# Altium PCB RMT_PCB.PcbDoc
Units mm, origin at the board's own origin, x right, y up, seen from the top; angles counter-clockwise.
Board outline 139.45 x 66.62 mm, 2 copper layers (Top Layer, Bottom Layer); 94 components, 69 nets, 334 pads, 290 vias.
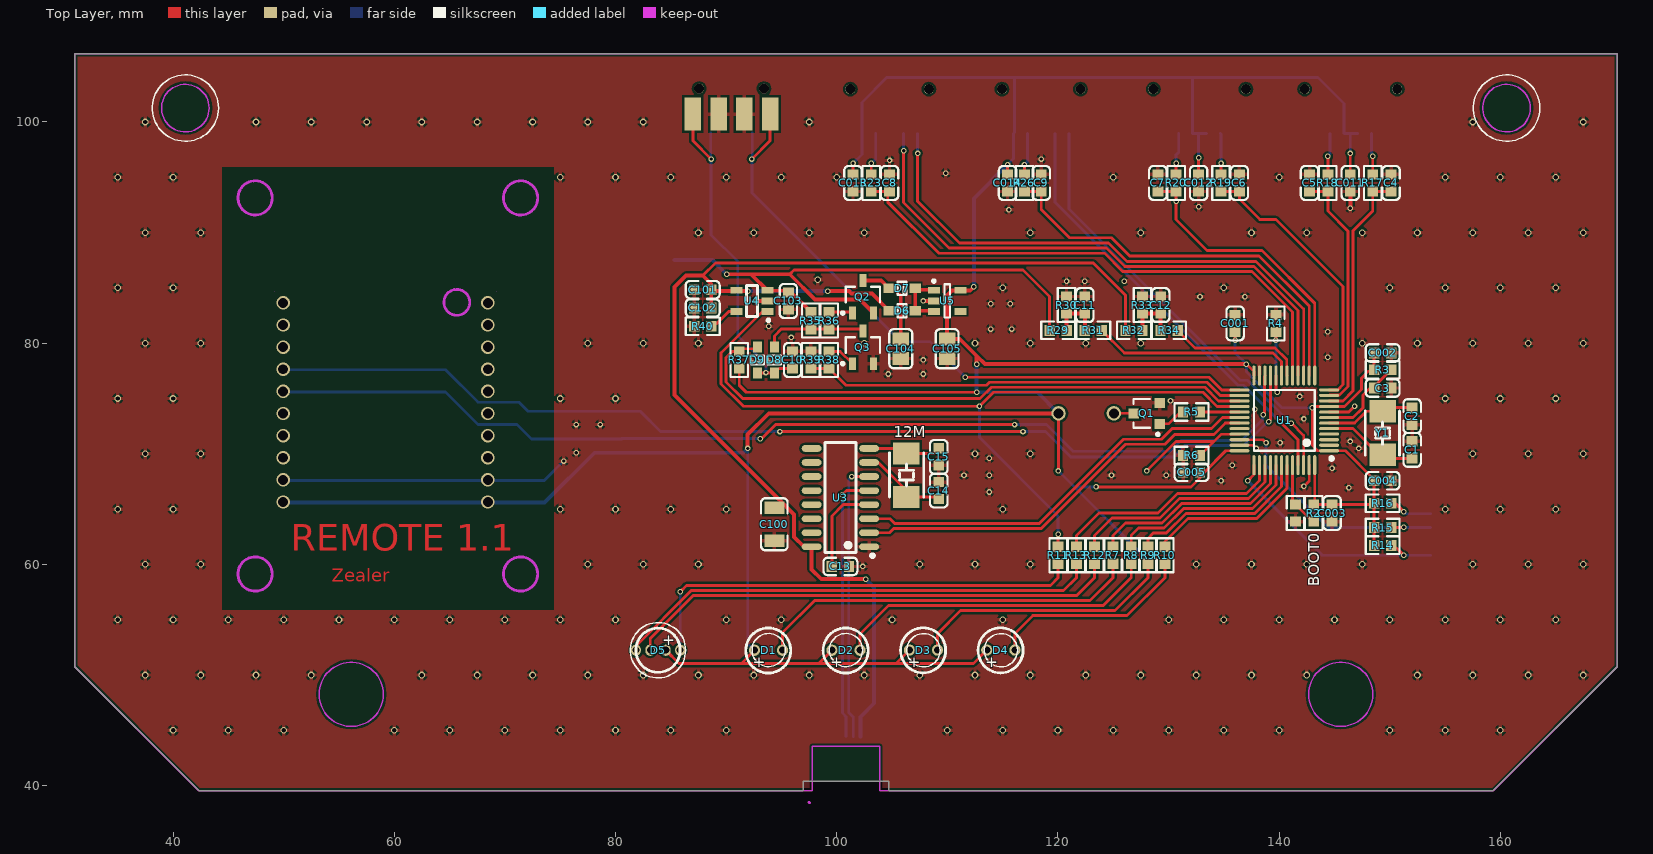
[diagram p0: Top Layer view]
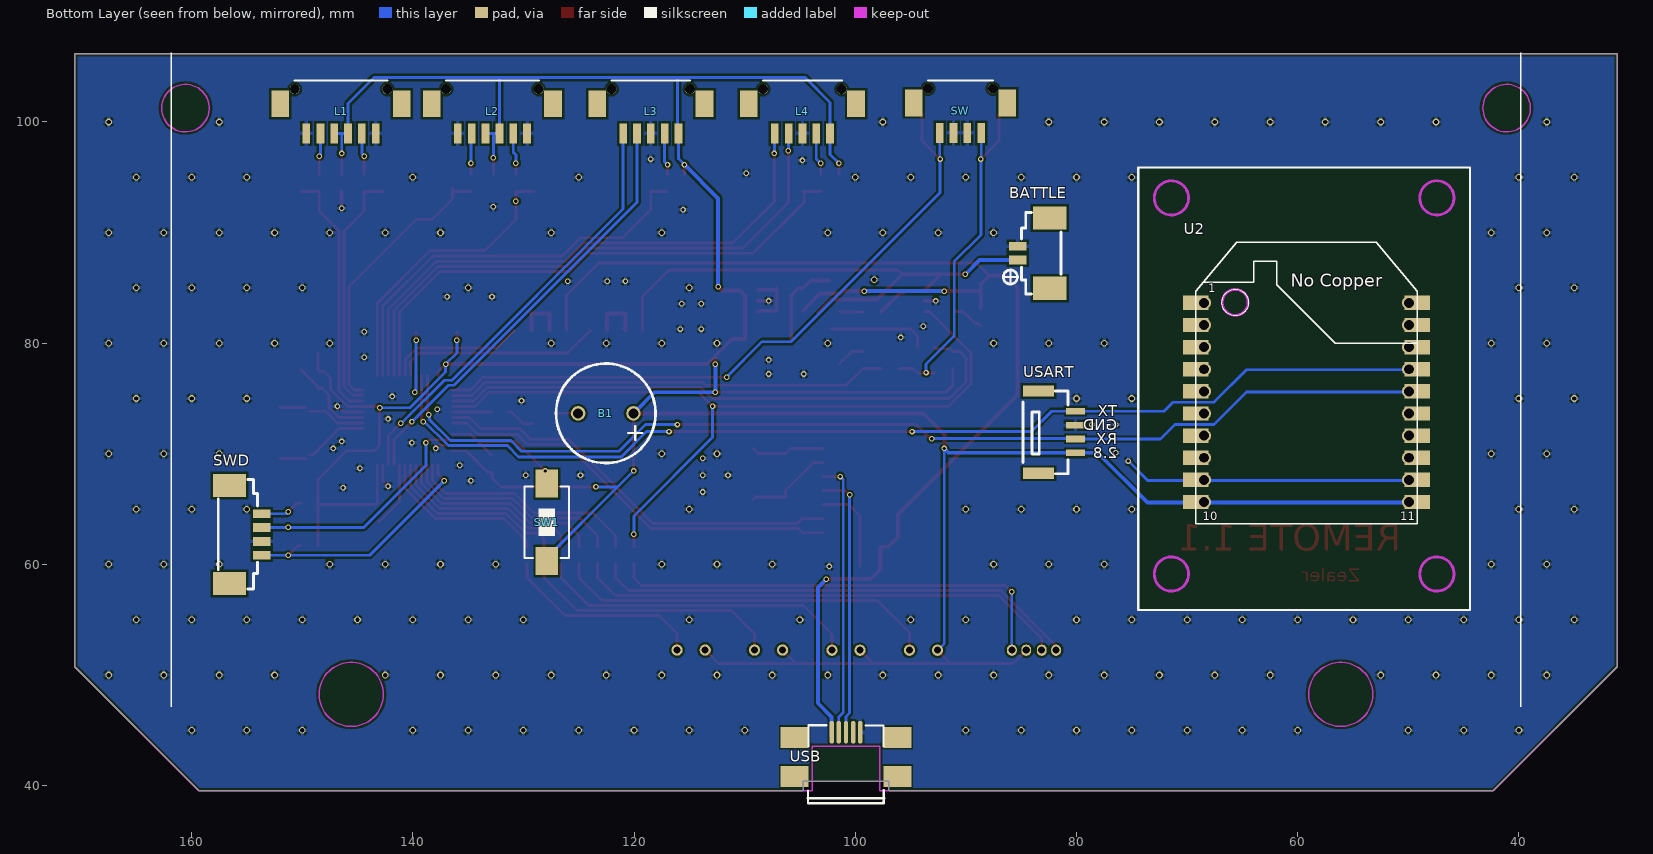
[diagram p1: Bottom Layer view, seen from below]
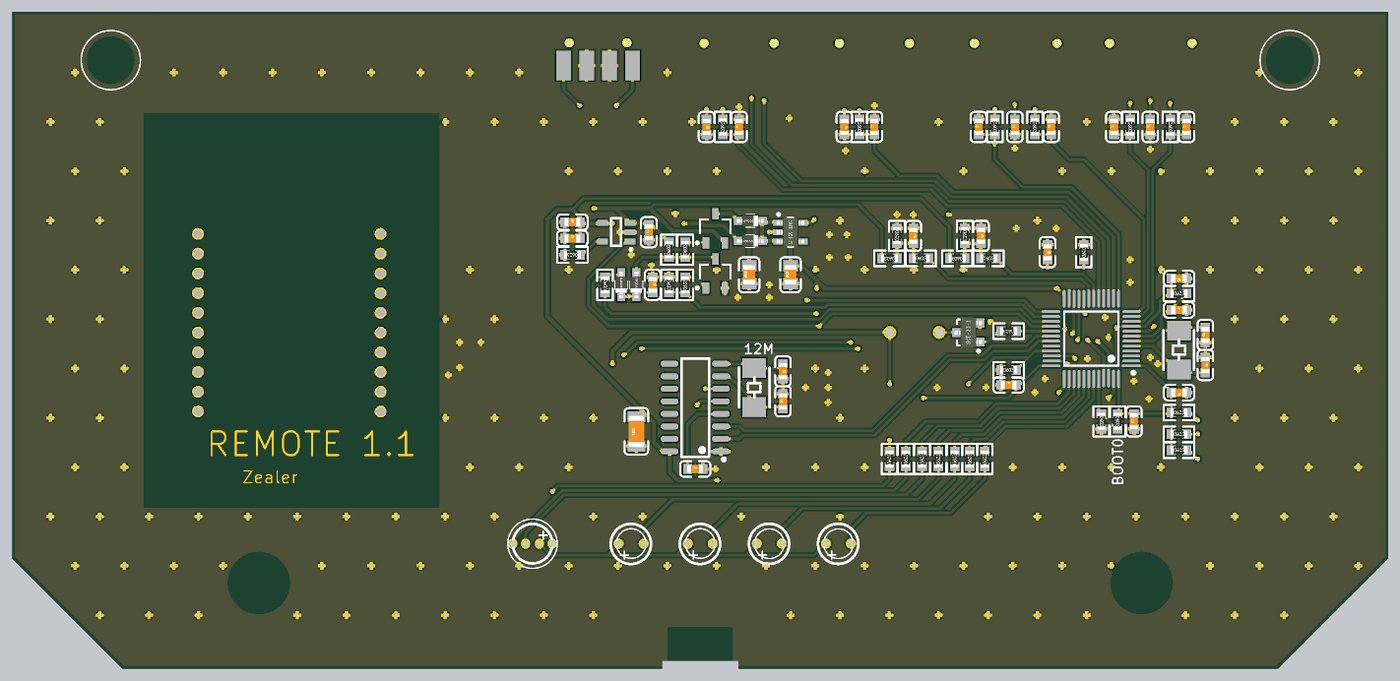
[diagram p2: 3D render of the assembled board from above, using the file's embedded part models]
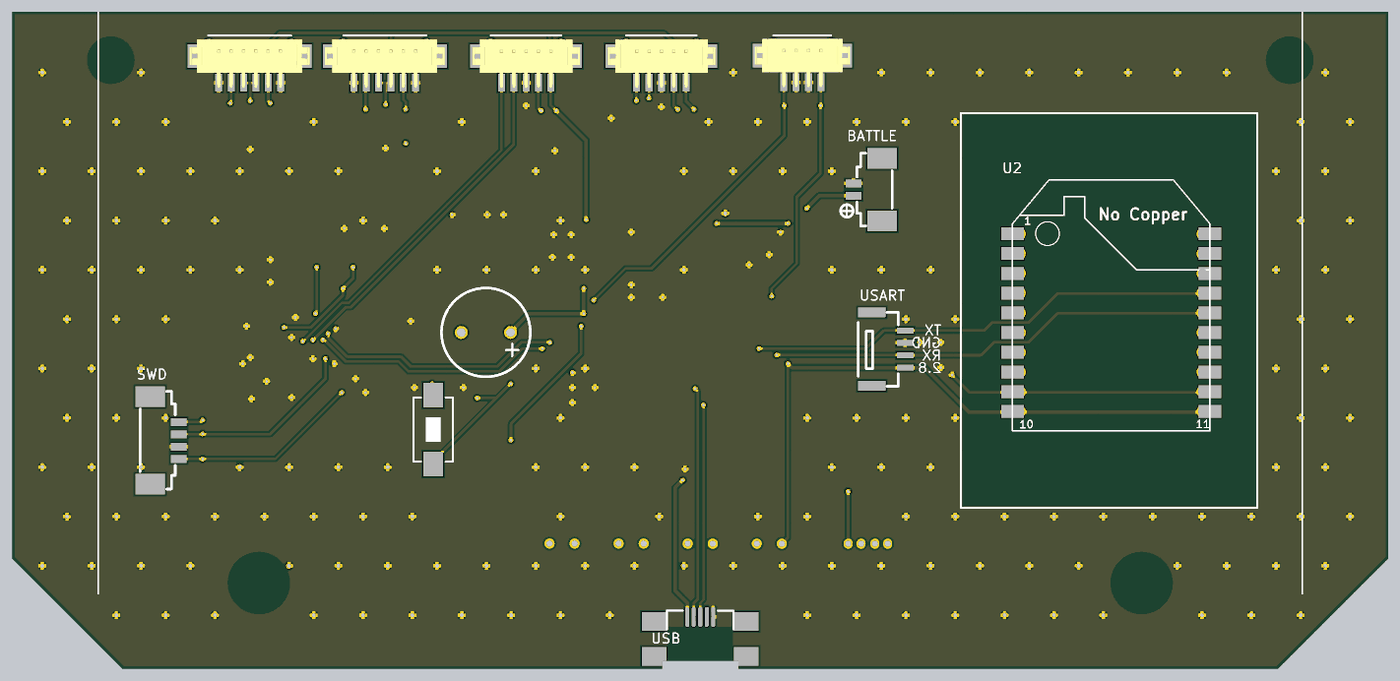
[diagram p3: 3D render of the assembled board from below, using the file's embedded part models]

## Layer stack, top to bottom
Top Solder: solder mask 0.0102, Solder Resist, Dk 3.5
Top Layer: signal copper 0.0356
Dielectric 1: dielectric 0.32, FR-4, Dk 4.8
Bottom Layer: signal copper 0.0356
Bottom Solder: solder mask 0.0102, Solder Resist, Dk 3.5

## Board outline
42.315,39.557 31.115,50.757 31.115,106.172 170.561,106.172 170.561,50.757 159.361,39.557 104.688,39.557 104.688,40.386 96.988,40.386 96.988,39.557

## Design rules (kind name [scope] priority, off if disabled: settings)
Clearance [All] p1: gap=0.2 ignorepadtopadclearanceinfootprint=FALSE except(0: Arc-Hole Track-Hole SMDPad-Hole THPad-Hole Via-Hole Fill-Hole Poly-Hole Region-Hole Text-Hole)
PolygonConnect [All] p1: connectstyle=Relief reliefconductorwidth=0.35 reliefentries=4 polygonreliefangle="90 Angle" airgapwidth=0.2
RoutingVias [All] p1: holewidth=0.3 width=0.5 viastyle="Through Hole" minholewidth=0.3 minwidth=0.5 maxholewidth=0.711 maxwidth=1.27
SolderMaskExpansion [All] p1: expansion=0.102
Width [All] p1: maxlimit=0.6 minlimit=0.254 preferedwidth=0.254
30 further rules are at their usual default settings.

## Classes and differential pairs
component class RMT_SCH: B1 BOOT0 C001 C1 C2 C002 C003 C3 C4 C004 C005 C5 C6 C7 C8 C9 C011 C012 C013 C014 D1 D2 D3 D4 D5 L1 L2 L3 L4 L? Q1 R2 R3 R4 R5 R6 R7 R8 R9 R10 R11 R12 R13 R14 R15 R16 R17 R18 R19 R20 R23 R26 R? SW SW1 SWD U1 U2 USART Y1
component class USB_POWER_SW: 12M BATTLE C10 C11 C12 C13 C14 C15 C100 C101 C102 C103 C104 C105 D6 D7 D8 D9 Q2 Q3 R29 R30 R31 R32 R33 R34 R35 R36 R37 R38 R39 R40 U3 U4 U5 USB

## Components (designator, comment, footprint, x,y, rotation, side; value= is the part's Value field where it differs from the comment)
12M "XTAL" 5032 106.299,68.072 r90 top (schematic designator Y2)
B1 "BEEP" BEEP_0905 122.555,73.66 r0 bottom
BATTLE "L_POWER" MOLEX-53398-02 82.423,91.313 r270 bottom
BOOT0 "10KΩ (1002) ±1%" 0603_R 141.478,64.643 r270 top (schematic designator R1)
C1 "10pF (100) 5% 50V" 0603_C 152.019,70.358 r270 top
C001 "100nF (104) 10% 50V" 0603_C 136.017,81.788 r270 top
C2 "10pF (100) 5% 50V" 0603_C 152.019,73.406 r90 top
C002 "100nF (104) 10% 50V" 0603_C 149.352,79.121 r180 top
C3 "100nF (104) 10% 50V" 0603_C 149.352,75.946 r0 top
C003 "100nF (104) 10% 50V" 0603_C 144.78,64.643 r90 top
C4 "100nF (104) 10% 50V" 0603_C 150.114,94.488 r90 top
C004 "100nF (104) 10% 50V" 0603_C 149.352,67.564 r180 top
C5 "100nF (104) 10% 50V" 0603_C 142.748,94.488 r90 top
C005 "100nF (104) 10% 50V" 0603_C 132.08,68.326 r0 top
C6 "100nF (104) 10% 50V" 0603_C 136.398,94.488 r90 top
C7 "100nF (104) 10% 50V" 0603_C 129.032,94.488 r90 top
C8 "100nF (104) 10% 50V" 0603_C 104.775,94.488 r90 top
C9 "100nF (104) 10% 50V" 0603_C 118.491,94.488 r90 top
C10 "100nF (104) 10% 50V" 0603_C 96.012,78.486 r270 top
C11 "100nF (104) 10% 50V" 0603_C 122.428,83.447 r270 top
C011 "100nF (104) 10% 50V" 0603_C 146.431,94.488 r90 top
C12 "100nF (104) 10% 50V" 0603_C 129.286,83.447 r270 top
C012 "100nF (104) 10% 50V" 0603_C 132.715,94.488 r90 top
C13 "100nF (104) 10% 50V" 0603_C 100.33,59.817 r0 top
C013 "100nF (104) 10% 50V" 0603_C 101.473,94.488 r270 top
C14 "10pF (100) 5% 50V" 0603_C 109.22,66.675 r90 top
C014 "100nF (104) 10% 50V" 0603_C 115.443,94.488 r270 top
C15 "10pF (100) 5% 50V" 0603_C 109.22,69.723 r270 top
C100 "10uF (106) 10% 50V" 1206_C 94.361,63.627 r90 top
C101 "100nF (104) 10% 50V" 0603_C 87.884,84.836 r0 top
C102 "100nF (104) 10% 50V" 0603_C 87.884,83.185 r0 top
C103 "100nF (104) 10% 50V" 0603_C 95.631,83.82 r90 top
C104 "10uF (106) 10% 25V" 0805_C 105.791,79.502 r90 top
C105 "10uF (106) 10% 25V" 0805_C 109.982,79.502 r90 top
D1 "LED_3.0MM" LED_A2 93.838,52.243 r0 top
D2 "LED_3.0MM" LED_A2 100.838,52.243 r0 top
D3 "LED_3.0MM" LED_A2 107.838,52.257 r0 top
D4 "LED_3.0MM" LED_A2 114.838,52.257 r0 top
D5 "LED_RGB" LED_3DIP 83.843,52.243 r0 top
D6 "1N4148WS T4" SOD-323 105.918,82.931 r180 top
D7 "1N4148WS T4" SOD-323 105.918,84.963 r180 top
D8 "1N4148WS T4" SOD-323 94.361,78.486 r90 top
D9 "1N4148WS T4" SOD-323 92.837,78.486 r90 top
L1 "L_ROCKER_6P" DF13-6P 146.49,100.965 r0 bottom
L2 "L_ROCKER_6P" DF13-6P 132.805,100.965 r0 bottom
L3 "L_SW_ROCKER_5P" DF13-5P 118.485,100.965 r0 bottom
L4 "L_SW_ROCKER_5P" DF13-5P 104.775,100.965 r0 bottom
Q1 "S8050" SOP23-3 128.016,73.66 r90 top
Q2 "AO3401A P道沟 X13A15 SOT-23" SOT-23-3L 102.362,84.201 r270 top
Q3 "AO3400A N道沟 X0YV1T SOT-23" SOT-23-3L 102.362,79.629 r270 top
R2 "0Ω (0R0) ±1%" 0603_R 143.129,64.643 r270 top
R3 "10KΩ (1002) ±1%" 0603_R 149.352,77.597 r0 top
R4 "10KΩ (1002) ±1%" 0603_R 139.7,81.788 r90 top
R5 "1KΩ (1001) ±1%" 0603_R 132.08,73.787 r180 top
R6 "10KΩ (1002) ±1%" 0603_R 132.08,69.85 r0 top
R7 "510Ω (5100) ±1%" 0603_R 124.968,60.833 r90 top
R8 "510Ω (5100) ±1%" 0603_R 126.619,60.833 r90 top
R9 "510Ω (5100) ±1%" 0603_R 128.143,60.833 r90 top
R10 "510Ω (5100) ±1%" 0603_R 129.667,60.833 r90 top
R11 "510Ω (5100) ±1%" 0603_R 120.015,60.833 r90 top
R12 "510Ω (5100) ±1%" 0603_R 123.317,60.833 r90 top
R13 "510Ω (5100) ±1%" 0603_R 121.666,60.833 r90 top
R14 "10KΩ (1002) ±1%" 0603_R 149.352,61.722 r0 top
R15 "10KΩ (1002) ±1%" 0603_R 149.352,63.333 r0 top
R16 "0Ω (0R0) ±1%" 0603_R 149.352,65.532 r0 top
R17 "10KΩ (1002) ±1%" 0603_R 148.463,94.488 r270 top
R18 "10KΩ (1002) ±1%" 0603_R 144.399,94.488 r270 top
R19 "10KΩ (1002) ±1%" 0603_R 134.747,94.488 r270 top
R20 "10KΩ (1002) ±1%" 0603_R 130.683,94.488 r270 top
R23 "10KΩ (1002) ±1%" 0603_R 103.124,94.488 r270 top
R26 "10KΩ (1002) ±1%" 0603_R 116.967,94.488 r270 top
R29 "30KΩ (3002) ±1%" 0603_R 120.015,81.161 r180 top
R30 "30KΩ (3002) ±1%" 0603_R 120.777,83.447 r270 top
R31 "10KΩ (1002) ±1%" 0603_R 123.19,81.161 r0 top
R32 "30KΩ (3002) ±1%" 0603_R 126.873,81.161 r180 top
R33 "30KΩ (3002) ±1%" 0603_R 127.635,83.447 r270 top
R34 "10KΩ (1002) ±1%" 0603_R 130.048,81.161 r0 top
R35 "10KΩ (1002) ±1%" 0603_R 97.663,82.042 r90 top
R36 "10KΩ (1002) ±1%" 0603_R 99.314,82.042 r90 top
R37 "10KΩ (1002) ±1%" 0603_R 91.186,78.486 r270 top
R38 "10KΩ (1002) ±1%" 0603_R 99.314,78.486 r90 top
R39 "10KΩ (1002) ±1%" 0603_R 97.663,78.486 r270 top
R40 "1.5KΩ (1501) ±1%" 0603_R 87.884,81.534 r180 top
SW "L_SW_4P" DF13-4P 90.49,101.016 r0 bottom (schematic designator L5)
SW1 "SW" SW-PB2-A1 127.889,63.754 r180 bottom
SWD "L_SWD" MOLEX-53398-0471 153.67,60.833 r90 bottom (schematic designator P2)
U1 "STM32F103CBT6" LQFP-48_7x7x05P 140.462,73.025 r90 top
U2 "DQ_115X" LW_1151 68.453,83.644 r180 bottom
U3 "CH340G" SOIC-16_150mil 100.33,66.04 r90 top
U4 "TP4054" SOT-23-5 92.329,83.82 r0 top
U5 "XC6503D281MR" SOT23-5 109.982,83.82 r0 top
USART "L_USART_Ex" BM04B-GHS-TBT 80.772,75.692 r270 bottom (schematic designator P1)
USB "MICRO_USB" MICRO-USB-B 100.838,38.862 r180 bottom
Y1 "XTAL" 5032 149.352,71.882 r270 top value=8Mhz

## Footprints (in the part's own frame and the unit in brackets; to place one, negate y for a bottom-side part, rotate by r counter-clockwise, add the part's x,y. Pads: shape width x height; smd on the part's side, far side on the other; paste and mask are expansions set on the pad)
0603_C [mm]
  rect 0.93x0.98 smd: 1(-0.77,0) 2(0.77,0)
  silkscreen extent -1.54,-0.79 1.54,0.79, body extent -0.8,-0.4 0.8,0.4, height 0.3
0603_R [mm]
  rect 0.93x0.98 smd: 1(-0.77,0) 2(0.77,0)
  silkscreen extent -1.54,-0.79 1.54,0.79, body extent -0.85,-0.4 0.85,0.4, height 0.56
0805_C [mm]
  rect 1.16x1.47 smd: 1(-0.89,0) 2(0.89,0)
  silkscreen extent -1.77,-1.04 1.77,1.04, body extent -1,-0.62 1,0.63, height 0.77
1206_C [mm]
  rect 1.13x1.8 smd: 1(-1.49,0) 2(1.49,0)
  silkscreen extent -2.36,-1.2 2.35,1.2, body extent -1.6,-0.81 1.6,0.79, height 1
5032 [mm] "无源晶振"
  rect 2x2.4 smd: 1(-1.968,0) 2(1.968,0)
  silkscreen extent -1.98,-1.57 2.02,1.53, body extent -2.48,-1.52 2.48,1.52, height 1.3
BEEP_0905 [mm] "有源蜂鸣器"
  round 1.3 hole 0.9: 1(-2.5,0) 2(2.5,0)
  silkscreen extent -4.5,-4.5 4.5,4.5, body extent -4.5,-4.5 4.5,4.5, height 5.5
BM04B-GHS-TBT [mm]
  rect 1x2.8 smd: 0(0,-2.664) 0(7.45,-2.664)
  rect 0.6x1.7 smd: 1(1.85,0.686) 2(3.1,0.686) 3(4.35,0.686) 4(5.6,0.686)
  silkscreen extent 0,-4.06 7.49,0, body extent 0,-4.06 7.49,0, height 4.05
DF13-4P [mm]
  rect 1.6x2.4 smd: 0(-4.225,-0.7) 0(4.225,-0.7)
  round 0.9 hole 0.9: 0(-2.925,-2) 0(2.925,-2)
  rect 0.7x1.8 smd: 1(-1.875,2) 2(-0.625,2) 3(0.625,2) 4(1.875,2)
  silkscreen extent -2.92,-2.74 2.92,-2.74, body extent -4.82,-2.41 4.83,2.49, height 4.77
DF13-5P [mm]
  rect 1.6x2.4 smd: 0(-4.85,-0.7) 0(4.85,-0.7)
  round 0.9 hole 0.9: 0(-3.55,-2) 0(3.55,-2)
  rect 0.7x1.8 smd: 1(-2.5,2) 2(-1.25,2) 3(0,2) 4(1.25,2) 5(2.5,2)
  silkscreen extent -3.56,-2.79 3.56,-2.79, body extent -5.46,-2.4 5.44,2.5, height 4.77
DF13-6P [mm]
  rect 1.6x2.4 smd: 0(-5.485,-0.7) 0(5.485,-0.7)
  round 0.9 hole 0.9: 0(-4.185,-2) 0(4.185,-2)
  rect 0.7x1.8 smd: 1(-3.135,2) 2(-1.885,2) 3(-0.635,2) 4(0.615,2) 5(1.865,2) 6(3.135,2)
  silkscreen extent -4.19,-2.79 4.19,-2.79, body extent -6.07,-2.41 6.08,2.49, height 4.77
LED_3DIP [mm]
  oval 0.9x1.016 hole 0.635 paste+0 mask+0: 1(0.7,0) 2(2,0) 3(-0.7,0) 4(-2,0)
  silkscreen extent -2,-2 2,2
LED_A2 [mil]
  round 40 hole 25 mask+0: 1(-50,0) 2(50,0)
  silkscreen extent -81,-81 79,79
LQFP-48_7x7x05P [mm]
  oval 0.28x1.8 smd mask+0.051: 1(-2.75,-4.05) 2(-2.25,-4.05) 3(-1.75,-4.05) 4(-1.25,-4.05) 5(-0.75,-4.05) 6(-0.25,-4.05) 7(0.25,-4.05) 8(0.75,-4.05) 9(1.25,-4.05) 10(1.75,-4.05) 11(2.25,-4.05) 12(2.75,-4.05) 25(2.75,4.05) 26(2.25,4.05) 27(1.75,4.05) 28(1.25,4.05) 29(0.75,4.05) 30(0.25,4.05) 31(-0.25,4.05) 32(-0.75,4.05) 33(-1.25,4.05) 34(-1.75,4.05) 35(-2.25,4.05) 36(-2.75,4.05)
  oval 1.8x0.28 smd mask+0.051: 13(4.05,-2.75) 14(4.05,-2.25) 15(4.05,-1.75) 16(4.05,-1.25) 17(4.05,-0.75) 18(4.05,-0.25) 19(4.05,0.25) 20(4.05,0.75) 21(4.05,1.25) 22(4.05,1.75) 23(4.05,2.25) 24(4.05,2.75) 37(-4.05,2.75) 38(-4.05,2.25) 39(-4.05,1.75) 40(-4.05,1.25) 41(-4.05,0.75) 42(-4.05,0.25) 43(-4.05,-0.25) 44(-4.05,-0.75) 45(-4.05,-1.25) 46(-4.05,-1.75) 47(-4.05,-2.25) 48(-4.05,-2.75)
  silkscreen extent -3.6,-4.43 2.75,2.75
LW_1151 [mm] "zigbee_usart"
  rect 2.316x1.3 smd: 1(-0.75,0) 2(-0.75,-2) 3(-0.75,-4) 4(-0.75,-6) 5(-0.75,-8) 6(-0.75,-10) 7(-0.75,-12) 8(-0.75,-14) 9(-0.75,-16) 10(-0.75,-18) 11(19.25,-18) 12(19.25,-16) 13(19.25,-14) 14(19.25,-12) 15(19.25,-10) 16(19.25,-8) 17(19.25,-6) 18(19.25,-4) 19(19.25,-2) 20(19.25,0)
  Keep-Out Layer lines w0.127: 19.25,1.036 19.25,1.042 ; -0.75,1.036 -0.75,1.042
  silkscreen extent -0.75,-19.96 19.25,5.49, body extent -0.75,-19.96 19.25,5.44, height 2.5
MICRO-USB-B [mm]
  oct 0.4x2 smd: 1(-1.3,5.969) 2(-0.65,5.969) 3(0,5.969) 4(0.65,5.969) 5(1.3,5.969)
  rect 2.5x1.9 smd: 6(4.65,1.95) 6(4.65,5.512) 7(-4.65,1.95) 7(-4.65,5.512)
  Keep-Out Layer lines w0.254: 3.353,-0.356 3.302,-0.406
  silkscreen extent -3.45,-0.45 3.45,6.6, body extent -5.51,-0.41 5.5,6.6, height 1
MOLEX-53398-02 [mm]
  rect 2.1x3 smd: 0(0,0) 0(6.35,0)
  rect 0.8x1.6 smd: 1(2.55,-2.9) 2(3.8,-2.9)
  silkscreen extent -0.51,-2.54 6.86,1.02, body extent -0.51,-3.41 6.86,1.04, height 4.78
MOLEX-53398-0471 [mm]
  rect 2.1x3 smd: 0(-2.55,2.9) 0(6.3,2.9)
  rect 0.8x1.6 smd: 1(0,0) 2(1.25,0) 3(2.5,0) 4(3.75,0)
  silkscreen extent -3.06,0.36 6.85,3.92, body extent -3.05,-0.51 6.86,3.94, height 4.78
SOD-323 [mm]
  rect 1x0.83 smd: 1(1.18,0) 2(-1.18,0)
  silkscreen extent -0.4,-0.6 0.4,0.6, body extent -1.35,-0.62 1.35,0.63, height 1.1
SOIC-16_150mil [mm]
  oval 0.6x1.8 smd: 1(-4.445,-2.6) 2(-3.175,-2.6) 3(-1.905,-2.6) 4(-0.635,-2.6) 5(0.635,-2.6) 6(1.905,-2.6) 7(3.175,-2.6) 8(4.445,-2.6) 9(4.445,2.6) 10(3.175,2.6) 11(1.905,2.6) 12(0.635,2.6) 13(-0.635,2.6) 14(-1.905,2.6) 15(-3.175,2.6) 16(-4.445,2.6)
  silkscreen extent -5.4,-3.05 4.97,1.4
SOP23-3 [mm]
  rect 0.9x0.95 smd: 1(-0.95,-1.175) 2(0.95,-1.175) 3(0,1.175)
  silkscreen extent -2.03,-1.14 1.3,1.18, body extent -1.45,-1.4 1.45,1.4, height 1.2
SOT23-5 [mm]
  rect 1.1x0.6 smd: 1(-1.2,0.95) 2(-1.2,0) 3(-1.2,-0.95) 4(1.2,-0.95) 5(1.2,0.95)
  silkscreen extent -1.32,-1.5 0.25,1.93, body extent -1.4,-1.45 1.4,1.45, height 1.2
SOT-23-3L [mm] "http://www.aosmd.com/res/packaging_information/SOT-23-3L.pdf"
  rect 1.15x0.65 smd: 1(1.475,-0.95) 2(1.475,0.95) 3(-1.475,0)
  silkscreen extent -0.9,-1.95 1.6,1.55, body extent -0.9,-1.55 0.9,1.55, height 1.25
SOT-23-5 [mm]
  rect 1.1x0.6 smd: 1(1.4,-0.95) 2(1.4,0) 3(1.4,0.95) 4(-1.4,0.95) 5(-1.4,-0.95)
  silkscreen extent -0.5,-1.87 1.63,1.4
SW-PB2-A1 [mm]
  rect 2x2.5 smd: 1(0,3.556) 2(0,-3.444)
  silkscreen extent -2,-3.19 2,3.31, body extent -1.93,-3.94 1.92,3.95, height 2.5

## Part data
12M Y1: "无源晶振"
B1: "有源蜂鸣器"
BATTLE: "电源输入"
BOOT0 R3 R4 R6 R14 R15 R17 R18 R19 R20 R23 R26 R31 R34 R35 R36 R37 R38 R39: library part "0603 10KΩ (1002) 1%", "贴片电阻", Package=0603, SuppliersPartNumber=C25804, ComponentLink1Description=供应商链接, ComponentLink1URL=http://www.szlcsc.com/product/details_26547.html, Supplier=LC
C1 C2 C14 C15: library part "0603 10pF (100) 5% 50V", "贴片电容", Package=0603, SuppliersPartNumber=C1634, ComponentLink1Description=供应商链接, ComponentLink1URL=http://www.szlcsc.com/product/details_1986.html, Supplier=LC
C001 C002 C3 C003 C4 C004 C5 C005 C6 C7 C8 C9 C10 C11 C011 C12 C012 C13 C013 C014 C101 C102 C103: library part "0603 100nF (104) 10% 50V", "贴片电容", Package=0603, SuppliersPartNumber=C14663, ComponentLink1Description=供应商链接, ComponentLink1URL=http://www.szlcsc.com/product/details_15331.html, Supplier=LC
C100: library part "1206 10uF (106) 10% 50V", "贴片电容", Package=1206, SuppliersPartNumber=C13585, ComponentLink1Description=供应商链接, ComponentLink1URL=http://www.szlcsc.com/product/details_14236.html, Supplier=LC
C104 C105: library part "0805 10uF (106) 10% 25V", "贴片电容", Package=0805, SuppliersPartNumber=C15850, ComponentLink1Description=供应商链接, ComponentLink1URL=http://www.szlcsc.com/product/details_16532.html, Supplier=LC
D1 D2 D3 D4: "3MM LED"
D5: "三色led"
D6 D7 D8 D9: library part "SOD-323 1N4148WS T4", "二极管", Package=SOD-323, SuppliersPartNumber=C2128, ComponentLink1Description=供应商链接, ComponentLink1URL=http://www.szlcsc.com/product/details_2485.html, Supplier=LC
L1 L2: "摇杆连接器"
L3 L4: "开关摇杆模块"
Q1: "三极管"
Q2: "MOS(场效应管)", Package=SOT-23, SuppliersPartNumber=C15127, ComponentLink1Description=供应商链接, ComponentLink1URL=http://www.szlcsc.com/product/details_15801.html, Supplier=LC
Q3: "MOS(场效应管)", Package=SOT-23, SuppliersPartNumber=C20917, ComponentLink1Description=供应商链接, ComponentLink1URL=http://www.szlcsc.com/product/details_21629.html, Supplier=LC
R2 R16: library part "0603 0Ω (0R0) 1%", "贴片电阻", Package=0603, SuppliersPartNumber=C21189, ComponentLink1Description=供应商链接, ComponentLink1URL=http://www.szlcsc.com/product/details_21903.html, Supplier=LC
R5: library part "0603 1KΩ (1001) 1%", "贴片电阻", Package=0603, SuppliersPartNumber=C21190, ComponentLink1Description=供应商链接, ComponentLink1URL=http://www.szlcsc.com/product/details_21904.html, Supplier=LC
R7 R8 R9 R10 R11 R12 R13: library part "0603 510Ω (5100) 1%", "贴片电阻", Package=0603, SuppliersPartNumber=C23193, ComponentLink1Description=供应商链接, ComponentLink1URL=http://www.szlcsc.com/product/details_23920.html, Supplier=LC
R29 R30 R32 R33: library part "0603 30KΩ (3002) 1%", "贴片电阻", Package=0603, SuppliersPartNumber=C22984, ComponentLink1Description=供应商链接, ComponentLink1URL=http://www.szlcsc.com/product/details_23711.html, Supplier=LC
R40: library part "0603 1.5KΩ (1501) 1%", "贴片电阻", Package=0603, SuppliersPartNumber=C22843, ComponentLink1Description=供应商链接, ComponentLink1URL=http://www.szlcsc.com/product/details_23570.html, Supplier=LC
SW: "开关模块"
SW1: "微动开关"
SWD: "SWD调试"
U1: "ARM", Package=LQFP-48_7x7x05P, SuppliersPartNumber=C8304, ComponentLink1Description=供应商链接, ComponentLink1URL=http://www.szlcsc.com/product/details_8796.html, Supplier=LC
U2: "zigbee_usart"
U3: library part CH340G_[C14267], "USB", Package=SOIC-16_150mil, SuppliersPartNumber=C14267, ComponentLink1Description=供应商链接, ComponentLink1URL=http://www.szlcsc.com/product/details_14927.html, Supplier=LC
U4: library part TP4054_[C32574], "电池电源管理", Package=SOT-23-5, SuppliersPartNumber=C32574, ComponentLink1Description=供应商链接, ComponentLink1URL=http://www.szlcsc.com/product/details_33539.html, Supplier=LC
U5: "2.8V 500ma线性稳压器"
USART: "串口扩展"
USB: "MICRO USB 接口"

## Free pads (board coordinates)
  rect 1.5x3 smd: 1(86.995,100.711) 2(89.323,100.711) 3(91.652,100.711) 3(93.98,100.711)

## Via types
v1: diameter 0.6, hole 0.4, Top Layer to Bottom Layer, 170 vias
v2: diameter 0.5, hole 0.3, Top Layer to Bottom Layer, 100 vias
v3: diameter 1.2, hole 0.9, Top Layer to Bottom Layer, 20 vias

## Nets (pads, with @x,y where several pads share a name; then routed paths per layer and width w, separated by ;. In a path a pad name is that pad's centre, name@x,y a point inside that pad or via, vN(x,y) a via of type N, cw(c..) or ccw(c..) an arc to the next point about the centre after c; other vN are vias at no path point)
2.8V: B1.1 C001.2 C002.2 C003.2 C004.2 C005.2 C011.2 C012.2 C013.1 C014.1 C105.2 D1.1 D2.1 D3.1 D4.1 D5.1 L1.3 L1.4 L2.3 L2.4 L3.1 L4.1 R2.1 R3.1 R14.1 R15.1 R16.1 R37.2 SW1.2 U1.1 U1.9 U1.24 U1.36 U1.48 U2.10 U2.11 U5.5 USART.4 | length 368.7
  Top Layer w0.254: D5.1 85.732,51.054 91.379,51.054 ; R37.2 91.186,76.2 91.821,75.565 v2(112.649,75.565) ; D1.1 91.379,51.054 ; D2.1 98.379,51.054 ; C013.1 v2(101.473,96.266) ; 105.365,51.054 D3.1 ; D4.1 112.365,51.054 98.379,51.054 ; C014.1 v2(115.443,96.139) ; v2(120.04,68.453) B1.1@120.04,73.66 ; v2(123.444,67.01) 132.034,67.01 132.85,67.826 C005.2 133.223,68.326 135.172,70.275 U1.36 ; C012.2 v2(132.715,96.774) ; v2(136.017,80.264) C001.2 ; v2(137.033,78.105) 137.712,77.426 U1.24 ; U1.48 143.212,65.496 143.295,65.413 C003.2 148.463,65.413 R16.1 ; C011.2 v2(146.431,97.155) ; R14.1 R15.1 R16.1 ; C002.2 R3.1 148.455,77.47 148.082,77.47 147.447,76.835 147.447,75.819 145.903,74.275 U1.9 143.109,74.275 v2(143.002,74.168) 143.002,70.739 143.466,70.275 U1.1 145.998,70.275 148.582,67.691 C004.2 R16.1 ; 91.379,51.054 98.379,51.054
  Top Layer w0.35: v2(91.948,70.485) 91.948,71.755 93.853,73.66 B1.1@120.04,73.66 ; v2(112.395,85.09) 112.075,84.77 U5.5 110.424,84.77 109.982,84.328 C105.2 111.124,80.392 112.649,78.867 ; v2(112.649,78.105) 112.649,78.867 ; v2(137.033,78.105) 113.411,78.105 112.649,78.867
  Bottom Layer w0.254: v2(91.948,70.485) 91.948,52.863 D1.1 ; v2(101.473,96.266) 102.275,97.068 L4.1 102.275,101.767 104.521,104.013 116.078,104.013 ; v2(115.443,96.139) 115.985,96.681 L3.1 116.078,99.058 116.078,104.013 ; v2(120.04,68.453) 121.483,67.01 ; v2(123.444,67.01) 121.483,67.01 ; SW1.2 127.889,60.604 121.483,67.01 ; v2(132.715,96.774) 132.715,98.965 ; L2.4 132.715,98.965 ; v2(136.017,80.264) 136.017,79.121 v2(137.033,78.105) 137.033,77.404 140.269,74.168 v2(143.002,74.168) ; v2(146.431,97.155) 146.431,98.965 ; L1.4 146.431,98.965 ; 116.078,104.013 132.08,104.013 ; 132.08,104.013 132.17,103.923 L2.3 132.715,98.965 ; 132.08,104.013 143.51,104.013 145.855,101.668 L1.3 146.431,98.965
  Bottom Layer w0.35: U2.11@49.875,65.591 69.875,65.591 73.592,65.591 78.093,70.092 USART.4 91.555,70.092 v2(91.948,70.485) ; v2(112.395,85.09) 112.395,93.091 v2(115.443,96.139) ; v2(112.649,78.105) v2(112.649,75.565) 118.15,75.565 B1.1
  other v3: 49.953,65.644 68.453,65.644
A_VBAT: R31.2 U1.19 | length 18.7
  Top Layer w0.254: R31.2 126,79.121 139.446,79.121 140.212,78.355 U1.19
A_VUSB: R34.2 U1.18 | length 12.4
  Top Layer w0.254: R34.2 132.404,79.575 139.634,79.575 140.679,78.53 140.679,77.108 U1.18
BAT_LED1: R7.2 U1.40 | length 18.9
  Top Layer w0.254: R7.2 124.968,62.611 126.092,63.735 129.408,63.735 131.186,65.513 136.779,65.513 137.409,65.513 139.212,67.316 U1.40
BAT_LED2: R8.2 U1.41 | length 17.8
  Top Layer w0.254: R8.2 126.619,62.611 127.289,63.281 129.596,63.281 131.374,65.059 136.591,65.059 137.597,65.059 139.712,67.174 U1.41
BAT_LED3: R9.2 U1.42 | length 16.7
  Top Layer w0.254: R9.2 128.143,62.357 128.613,62.827 129.784,62.827 131.562,64.605 136.403,64.605 137.785,64.605 140.212,67.032 U1.42
BAT_LED4: R10.2 U1.43 | length 15.6
  Top Layer w0.254: R10.2 129.667,62.068 131.75,64.151 136.215,64.151 137.973,64.151 140.712,66.89 U1.43
BEEP: R5.1 U1.29 | length 3.6
  Top Layer w0.254: R5.1 136.4,73.787 U1.29
BOOT0: BOOT0.1 R2.2 U1.44 | length 6
  Top Layer w0.254: U1.44 141.212,65.679 BOOT0.1 143.018,63.873 R2.2
BOOT1: R4.1 U1.20 | length 7.1
  Top Layer w0.254: v2(139.7,80.264) R4.1 ; U1.20 139.712,75.68 v2(139.827,75.565)
  Bottom Layer w0.254: v2(139.7,80.264) 139.7,75.692 v2(139.827,75.565)
CH_A1: C4.1 R17.2 U1.10 | length 23
  Top Layer w0.254: U1.10 145.754,74.775 146.685,75.706 146.685,90.17 148.463,91.948 R17.2 C4.1
CH_A2: C5.1 R18.2 U1.11 | length 22.1
  Top Layer w0.254: C5.1 R18.2 144.399,91.948 146.231,90.116 146.231,76.074 145.465,75.308 144.545,75.308 U1.11
CH_A3: C6.1 R19.2 U1.12 | length 25.6
  Top Layer w0.254: R19.2 C6.1 ; C6.1@136.398,93.98 136.398,93.037 138.249,91.186 139.7,91.186 145.777,85.109 145.777,76.262 145.29,75.775 U1.12
CH_A4: C7.1 R20.2 U1.13 | length 26.4
  Top Layer w0.254: C7.1 R20.2 v2(130.683,92.837) 130.683,91.186 133.477,88.392 138.43,88.392 143.212,83.61 U1.13
CHRG: R11.2 U1.28 U4.1 | length 73
  Top Layer w0.254: U4.1 93.277,82.87 89.535,79.128 89.535,76.32 91.56,74.295 v2(112.903,74.295) 114.173,75.565 133.096,75.565 134.386,74.275 U1.28 ; R11.2 v2(120.015,62.738)
  Bottom Layer w0.254: v2(112.903,74.295) 112.903,71.501 120.015,64.389 v2(120.015,62.738)
DBUG_LED: R13.2 U1.38 | length 21
  Top Layer w0.254: R13.2 121.666,62.611 123.698,64.643 129.032,64.643 130.81,66.421 137.033,66.421 138.212,67.6 U1.38
FOC_A1: C9.1 R26.2 U1.14 | length 37
  Top Layer w0.254: R26.2 C9.1 ; C9.1@118.491,93.472 118.491,92.075 121.031,89.535 124.841,89.535 126.492,87.884 138.176,87.884 142.712,83.348 U1.14
FOC_A2: C8.1 R23.2 U1.17 | length 48.9
  Top Layer w0.254: R23.2 C8.1 ; C8.1@104.615,93.559 104.615,92.743 109.22,88.138 124.206,88.138 125.857,86.487 137.541,86.487 141.212,82.816 U1.17
FOC_S0: pad.3@93.98,100.711 SW.4 U1.25 | length 61.7
  Top Layer w0.254: v2@92.329,96.52 v2(92.329,96.647) 93.98,98.298 pad.3@93.98,100.711 ; v2(111.633,76.927) 133.66,76.927 134.812,75.775 U1.25
  Bottom Layer w0.254: v2(92.329,96.647) 92.329,93.599 105.791,80.137 108.423,80.137 v2(111.633,76.927) ; v2@92.365,96.683 SW.4
FOC_S1: L3.5 U1.46 | length 39.2
  Top Layer w0.254: v2(141.097,72.771) 142.212,71.656 U1.46
  Bottom Layer w0.254: L3.5 120.985,92.128 136.459,76.654 137.141,76.654 141.024,72.771 v2(141.097,72.771)
FOC_S2: L3.4 U1.45 | length 39.4
  Top Layer w0.254: v2(140.081,72.898) 141.712,71.267 U1.45
  Bottom Layer w0.254: L3.4 119.735,92.736 136.271,76.2 136.779,76.2 v2(140.081,72.898)
FOC_S3: L4.5 U1.15 | length 51.1
  Top Layer w0.254: v2(107.315,97.155) 107.315,92.837 111.106,89.046 124.206,89.046 124.582,89.046 126.233,87.395 137.917,87.395 142.212,83.1 U1.15
  Bottom Layer w0.254: v2(107.315,97.155) L4.5@107.315,98.933
FOC_S4: L4.4 U1.16 | length 51.9
  Top Layer w0.254: v2(106.045,97.409) 106.045,92.71 110.163,88.592 124.394,88.592 126.045,86.941 137.729,86.941 141.712,82.958 U1.16
  Bottom Layer w0.254: L4.4 106.045,98.945 v2(106.045,97.409)
GND: BATTLE.1 BOOT0.2 C001.1 C1.1 C002.1 C2.1 C003.1 C3.2 C004.1 C4.2 C005.1 C5.2 C6.2 C7.2 C8.2 C9.2 C10.1 C011.1 C11.1 C12.1 C012.1 C13.2 C013.2 C014.2 C14.2 C15.2 C100.1 C101.1 C102.1 C103.1 C104.1 C105.1 L1.1 L1.6 L2.1 L2.6 L3.3 L4.3 pad.2 pad.3@91.652,100.711 Q1.2 Q3.2 R4.2 R6.1 R30.1 R33.1 R39.1 R40.2 SW.2 SW.3 SWD.2 U1.8 U1.23 U1.35 U1.47 U2.9 U2.12 U3.1 U4.2 U5.2 USART.2 USB.5 | length 35.9
  Top Layer w0.254: U1.35 137.632,70.775 v2(137.922,70.485) ; v2(142.24,67.056) 142.712,67.528 U1.47 ; U1.8 146.292,73.775 v2(146.812,74.295)
  Top Layer w0.35: v2(92.71,83.82) U4.2 ; v2(107.823,83.82) U5.2 ; v2(146.431,92.202) C011.1
  Bottom Layer w0.254: U2.12@49.875,67.591 69.875,67.591 73.56,67.591 v2(75.311,69.342)
  other v1: 40,45 45,45 50,45 60,45 65,45 70,45 75,45 80,45 85,45 90,45 110,45 115,45 120,45 125,45 130,45 135,45 140,45 150,45 155,45 160,45 37.5,50 42.5,50 47.5,50 52.5,50 62.5,50 67.5,50 72.5,50 77.5,50 82.5,50 87.5,50 92.5,50 97.5,50 102.5,50 107.5,50 112.5,50 117.5,50 122.5,50 127.5,50 132.5,50 137.5,50 142.5,50 152.5,50 157.5,50 162.5,50 167.5,50 35,55 40,55 45,55 50,55 55,55 60,55 65,55 70,55 75,55 80,55 90,55 95,55 105,55 115,55 130,55 135,55 140,55 145,55 150,55 155,55 160,55 165,55 37.5,60 42.5,60 77.5,60 82.5,60 87.5,60 107.5,60 112.5,60 117.5,60 132.5,60 137.5,60 142.5,60 147.5,60 157.5,60 162.5,60 167.5,60 35,65 40,65 75,65 80,65 85,65 90,65 115,65 155,65 160,65 165,65 37.5,70 42.5,70 112.5,70 117.5,70 157.5,70 162.5,70 167.5,70 35,75 40,75 75,75 80,75 155,75 160,75 165,75 37.5,80 42.5,80 77.5,80 82.5,80 87.5,80 102.5,80 112.5,80 117.5,80 122.5,80 127.5,80 147.5,80 152.5,80 157.5,80 162.5,80 167.5,80 35,85 40,85 115,85 135,85 150,85 155,85 160,85 165,85 98.298,85.725 37.5,90 42.5,90 87.5,90 92.5,90 97.5,90 102.5,90 117.5,90 127.5,90 137.5,90 142.5,90 147.5,90 152.5,90 157.5,90 162.5,90 167.5,90 35,95 40,95 75,95 80,95 85,95 90,95 95,95 100,95 125,95 140,95 155,95 160,95 165,95 37.5,100 47.5,100 52.5,100 57.5,100 62.5,100 67.5,100 72.5,100 77.5,100 82.5,100 97.5,100 157.5,100 167.5,100
  other v2: 102.362,59.817 113.792,66.548 146.304,66.929 134.747,67.564 111.506,68.072 113.792,68.072 124.841,68.072 129.794,68.072 144.78,68.707 135.763,68.961 113.792,69.596 76.454,70.104 147.193,70.485 140.081,70.993 146.431,71.12 76.454,72.644 78.613,72.644 142.24,73.152 137.795,74.041 130.175,74.803 141.859,75.184 104.648,77.216 107.823,77.216 107.823,78.486 144.399,78.74 95.885,80.518 144.399,81.026 113.919,81.28 115.824,81.28 93.853,81.534 113.919,83.566 115.697,83.566 132.842,84.201 136.906,84.201 120.777,85.598 122.428,85.598 125.984,85.598 115.57,92.075 132.715,92.329 109.855,95.377 104.775,96.52 118.491,96.647
  other v3: 49.953,67.644 68.453,67.644
K_IN: D9.1 R37.1 U1.27 | length 53.4
  Top Layer w0.254: D9.1 92.673,79.502 91.432,79.502 R37.1 90.559,79.256 89.989,78.686 89.989,76.508 91.509,74.988 112.954,74.988 113.985,76.019 133.284,76.019 134.528,74.775 U1.27
K_OUT: R38.1 R39.2 U1.26 | length 40
  Top Layer w0.254: R39.2 R38.1 100.83,76.2 113.524,76.2 113.797,76.473 133.472,76.473 134.67,75.275 U1.26
K_POWER: C10.2 D8.2 D9.2 pad.1 SW.1 | length 31.8
  Top Layer w0.254: pad.1 86.995,98.298 v2(88.646,96.647) ; D9.2 D8.2 94.771,77.716 C10.2
  Bottom Layer w0.254: v2@88.615,96.678 SW.1 ; v2(88.646,96.647) 88.646,89.789 91.059,87.376 91.059,80.645 93.599,78.105 v2(93.599,77.343)
NetB1_2: B1.2 Q1.3 | length 1.8
  Top Layer w0.254: B1.2 Q1.3
NetC1_2: C1.2 U1.5 Y1.2 | length 8.2
  Top Layer w0.254: U1.5 146.673,72.275 149.034,69.913 Y1.2 ; Y1.2@149.677,69.588 C1.2
NetC2_2: C2.2 U1.6 Y1.1 | length 7.6
  Top Layer w0.254: U1.6 146.823,72.775 147.899,73.85 Y1.1 ; Y1.1@149.678,74.176 C2.2
NetC11_2: C11.2 R29.1 R30.2 R31.1 | length 4.9
  Top Layer w0.35: R29.1@120.904,81.296 120.777,81.169 R30.2 C11.2 122.428,81.169 R31.1
NetC12_2: C12.2 R32.1 R33.2 R34.1 | length 4.7
  Top Layer w0.35: R32.1@127.635,81.169 R33.2 C12.2 R34.1@129.286,81.169
NetC13_1: C13.1 U3.4 | length 8.4
  Top Layer w0.254: C13.1 99.56,64.381 100.584,65.405 U3.4
NetC14_1: 12M.1 C14.1 U3.7 | length 8
  Top Layer w0.254: U3.7 103.759,69.215 106.299,66.675 12M.1 109.022,66.103 C14.1
NetC15_1: 12M.2 C15.1 U3.8 | length 6.7
  Top Layer w0.254: U3.8 105.855,70.485 12M.2 108.767,70.04 C15.1
NetD1_2: D1.2 R7.1 | length 34.8
  Top Layer w0.254: D1.2 95.108,53.833 98.009,56.734 122.901,56.734 124.968,58.801 R7.1
NetD2_2: D2.2 R8.1 | length 29.4
  Top Layer w0.254: D2.2 102.108,53.721 104.667,56.28 124.098,56.28 126.619,58.801 R8.1
NetD3_2: D3.2 R9.1 | length 23.9
  Top Layer w0.254: D3.2 109.108,53.736 111.198,55.826 125.168,55.826 128.143,58.801 R9.1
NetD4_2: D4.2 R10.1 | length 18.4
  Top Layer w0.254: D4.2 116.108,53.751 117.729,55.372 126.238,55.372 129.667,58.801 R10.1
NetD5_2: D5.2 R11.1 | length 41.2
  Top Layer w0.254: v2(85.852,57.531) 86.417,58.096 119.31,58.096 120.015,58.801 R11.1
  Bottom Layer w0.254: D5.2 85.852,52.252 v2(85.852,57.531)
NetD5_3: D5.3 R12.1 | length 44.8
  Top Layer w0.254: D5.3 83.143,53.298 87.033,57.188 121.704,57.188 123.317,58.801 R12.1
NetD5_4: D5.4 R13.1 | length 44
  Top Layer w0.254: D5.4 81.843,52.64 86.845,57.642 120.507,57.642 121.666,58.801 R13.1
NetD6_2: D6.2 D7.2 U5.1 U5.3 | length 5.4
  Top Layer w0.35: D7.2 D7.2@107.098,84.836 ; U5.3 108.722,82.931 D6.2 D7.2@107.098,84.836 ; U5.1@108.782,84.836 D7.2@107.098,84.836
NetD8_1: D8.1 Q3.3 R35.1 R36.1 | length 9.1
  Top Layer w0.254: D8.1 94.361,80.645 94.988,81.272 R35.1 R36.1 Q3.3@102.194,81.272
NetL1_2: L1.5 R17.1 | length 3.8
  Top Layer w0.254: R17.1 v2(148.463,96.901)
  Bottom Layer w0.254: L1.5 148.355,97.009 v2(148.463,96.901)
NetL1_5: L1.2 R18.1 | length 3.8
  Top Layer w0.254: R18.1 v2(144.399,96.901)
  Bottom Layer w0.254: v2(144.399,96.901) 144.605,97.107 L1.2
NetL2_2: L2.5 R19.1 | length 3.7
  Top Layer w0.254: R19.1 v2(134.747,96.266)
  Bottom Layer w0.254: L2.5 134.747,98.888 v2(134.747,96.266)
NetL2_5: L2.2 R20.1 | length 3.8
  Top Layer w0.254: R20.1 v2(130.683,96.266)
  Bottom Layer w0.254: v2(130.683,96.266) 130.683,97.028 130.92,97.265 L2.2
NetL3_4: L3.2 R26.1 | length 3.8
  Top Layer w0.254: R26.1 v2(116.967,96.139)
  Bottom Layer w0.254: v2(116.967,96.139) 117.235,96.407 L3.2
NetL4_4: L4.2 R23.1 | length 3.9
  Top Layer w0.254: R23.1 v2(103.124,96.266)
  Bottom Layer w0.254: v2(103.124,96.266) 103.525,96.667 L4.2
NetP2_4: R16.2 SWD.4 | length 3.9
  Top Layer w0.254: R16.2 150.495,65.532 v2(151.257,64.77)
  Bottom Layer w0.254: v2(151.257,64.77) 151.444,64.583 SWD.4
NetQ1_1: Q1.1 R5.2 | length 2.6
  Top Layer w0.254: Q1.1 129.987,72.71 131.064,73.787 R5.2
NetQ2_1: Q2.1 R36.2 | length 2.1
  Top Layer w0.254: R36.2 101.371,82.812 Q2.1@101.412,82.853
NetQ3_1: Q3.1 R38.2 | length 2.6
  Top Layer w0.254: R38.2 100.31,79.256 Q3.1
NetR40_1: R40.1 U4.5 | length 2.8
  Top Layer w0.254: R40.1 88.908,81.788 89.154,81.788 90.236,82.87 U4.5
NRST: C3.1 R3.2 U1.7 | length 8.1
  Top Layer w0.254: U1.7 146.681,73.275 147.574,74.168 147.574,75.304 147.901,75.631 147.901,75.638 148.209,75.946 C3.1 148.582,76.057 R3.2
RUN_LED: R12.2 U1.39 | length 19.9
  Top Layer w0.254: R12.2 123.317,62.611 124.895,64.189 129.22,64.189 130.998,65.967 137.221,65.967 138.712,67.458 U1.39
SW1: R6.2 SW1.1 U1.33 | length 11.6
  Top Layer w0.254: v2(128.016,68.453) 130.683,71.12 134.12,71.12 ; R6.2 134.775,71.775 U1.33
SWCLK: R14.2 SWD.1 U1.37 | length 22.4
  Top Layer w0.254: v2(137.16,67.564) 137.712,68.116 U1.37 ; R14.2 150.368,61.722 v2(151.257,60.833)
  Bottom Layer w0.254: v2(137.16,67.564) 143.891,60.833 v2(151.257,60.833) SWD.1
SWDIO: R15.2 SWD.3 U1.34 | length 22.8
  Top Layer w0.254: U1.34 138.529,71.275 v2(138.811,70.993) ; R15.2 v2@151.217,63.333
  Bottom Layer w0.254: v2(138.811,70.993) 138.811,68.961 144.439,63.333 SWD.3
  other v2: 151.257,63.373
UD+: U3.5 USB.3 | length 24.6
  Top Layer w0.254: v2(100.511,66.294) 100.892,66.675 U3.5
  Bottom Layer w0.254: v2(100.511,66.294) 100.511,46.555 100.838,46.228 USB.3@100.838,44.45
UD-: U3.6 USB.2 | length 25.4
  Top Layer w0.254: v2(101.346,67.945) U3.6
  Bottom Layer w0.254: v2(101.346,67.945) 101.092,67.691 101.092,66.537 101.088,66.533 101.088,46.62 101.488,46.22 USB.2@101.488,44.45
USB_UART_RX: U1.31 U3.2 | length 37.6
  Top Layer w0.254: U3.2 104.775,62.865 105.156,63.246 118.491,63.246 126.111,70.866 129.667,70.866 130.556,71.755 134.112,71.755 135.132,72.775 U1.31
USB_UART_TX: U1.30 U3.3 | length 37.6
  Top Layer w0.254: U3.3 104.806,64.135 105.241,63.7 118.303,63.7 125.923,71.32 129.359,71.32 130.333,72.294 133.889,72.294 134.87,73.275 U1.30
VBAT: BATTLE.2 C103.2 Q2.2 R29.2 R35.2 U4.3 | length 54.3
  Top Layer w0.254: 95.758,86.233 96.135,86.61 116.844,86.61 119.245,84.209 R29.2
  Top Layer w0.35: v2(90.043,86.233) 92.266,86.233 ; C103.2@95.504,84.709 U4.3 92.266,86.233 ; C103.2 95.885,84.59 R35.2 ; Q2.2 102.091,83.947 98.044,83.947 95.758,86.233 92.266,86.233
  Bottom Layer w0.35: BATTLE.2 88.763,87.513 v2(90.043,86.233)
VCC: C104.2 D7.1 Q2.3 | length 7.9
  Top Layer w0.35: Q2.3 104.025,85.676 D7.1 105.156,84.963 105.791,84.328 C104.2
VUSB: C100.2 C101.2 C102.2 D6.1 R32.2 U3.16 U4.4 USB.1 | length 118.4
  Top Layer w0.254: 87.884,86.106 89.027,87.249 123.19,87.249 126.103,84.336 R32.2
  Top Layer w0.35: C102.2 88.654,84.704 88.72,84.77 88.781,84.709 v2(91.948,84.709) 90.99,84.709 U4.4 ; C101.2 88.654,85.336 87.884,86.106 86.36,86.106 85.344,85.09 85.344,75.311 96.139,64.516 96.139,62.484 97.028,61.595 U3.16 97.73,59.547 98.603,58.674 v2(102.616,58.674) ; v2(99.187,84.709) 101.097,84.709 101.309,84.497 103.172,84.497 D6.1
  Bottom Layer w0.35: v2(91.948,84.709) v2(99.187,84.709) ; USB.1@102.138,44.45 102.138,46.212 103.378,47.452 103.378,57.912 v2(102.616,58.674)
ZIGBEE_RX: U1.22 U2.16 USART.3 | length 97.4
  Top Layer w0.254: v2(93.091,71.374) 93.218,71.374 94.488,72.644 v2(116.078,72.644) ; v2(138.557,73.533) 138.679,73.655 138.679,77.042 U1.22
  Bottom Layer w0.254: U2.16@49.875,75.591 64.617,75.591 67.564,72.644 71.093,72.644 72.395,71.342 USART.3 80.594,71.342 80.562,71.374 v2(93.091,71.374) ; v2(116.078,72.644) 118.955,72.644 121.368,70.231 130.175,70.231 131.137,71.193 136.598,71.193 138.488,73.083 138.488,73.602 v2(138.557,73.533)
  other v3: 49.953,75.644
ZIGBEE_TX: U1.21 U2.17 USART.1 | length 98.2
  Top Layer w0.254: v2(94.869,72.009) v2(116.84,72.009) ; v2(139.065,72.898) 139.212,73.045 U1.21
  Bottom Layer w0.254: U2.17@49.875,77.591 64.649,77.591 67.572,74.668 71.255,74.668 72.081,73.842 USART.1 82.241,73.842 84.074,72.009 v2(94.869,72.009) ; v2(116.84,72.009) 118.872,72.009 121.158,69.723 130.429,69.723 131.445,70.739 136.786,70.739 139.065,73.018 v2(139.065,72.898)
  other v3: 49.953,77.644
pads on no net: BATTLE.0 L1.0 L2.0 L3.0 L4.0 SW.0 SWD.0 U1.2 U1.3 U1.4 U1.32 U2.1 U2.2 U2.3 U2.4 U2.5 U2.6 U2.7 U2.8 U2.13 U2.14 U2.15 U2.18 U2.19 U2.20 U3.9 U3.10 U3.11 U3.12 U3.13 U3.14 U3.15 U5.4 USART.0 USB.4 USB.6 USB.7
copper on no net:
  other v3: 49.953,69.644 68.453,69.644 49.953,71.644 68.453,71.644 49.953,73.644 68.453,73.644 68.453,75.644 68.453,77.644 49.953,79.644 68.453,79.644 49.953,81.644 68.453,81.644 49.953,83.644 68.453,83.644

## Polygon pours and split planes (outlines as drawn)
GND on Bottom Layer "GND" (solid, remove dead copper, pour order 30): 29.337,107.315 29.464,107.442 174.371,107.442 174.371,37.211 173.482,36.322 28.448,36.322
GND on Top Layer "GND" (solid, remove dead copper, pour order 32): 27.305,108.585 173.355,108.585 176.53,105.41 175.006,103.886 175.006,36.449 31.623,36.449 28.702,33.528

## Keep-outs
Keep-Out Layer:
  circle w0.127: c41.115,101.257 r2.15
  circle w0.127: c160.561,101.257 r2.15
  circle w0.127: c56.115,48.257 r2.9
  circle w0.127: c145.561,48.257 r2.9
  circle w0.254: c47.422,93.134 r1.55
  circle w0.254: c71.422,93.134 r1.55
  circle w0.254: c47.422,59.134 r1.55
  circle w0.254: c71.422,59.134 r1.55
  circle w0.254: c65.659,83.693 r1.171
  lines w0.125: 96.988,39.557 97.663,39.557 97.79,39.557 97.79,43.561 103.886,43.561 103.886,39.557 104.688,39.557
  lines w0.127: 96.988,39.557 42.315,39.557 31.115,50.757 31.115,56.257 31.115,106.172 170.561,106.172 170.561,56.257 170.561,50.757 159.361,39.557 104.688,39.557

## Other copper
Top Layer:
  pour cut-out: 44.45,95.885 74.422,95.885 74.422,55.88 44.45,55.88
  text "REMOTE 1.1" at 50.652,61.214 h2.4
  text "Zealer" at 54.356,58.412 h1.2
Bottom Layer:
  pour cut-out: 44.45,95.758 74.295,95.758 74.295,55.88 74.168,56.007 44.45,56.007

## Silkscreen, mask and mechanical layers (free items; w line width, h text height)
Top Overlay:
  circle w0.127: c160.561,101.257 r3
  circle w0.127: c41.115,101.257 r3
  circle w0.127: c93.838,52.257 r1.5
  circle w0.127: c100.838,52.257 r1.5
  circle w0.127: c83.843,52.243 r2.5
  circle w0.127: c107.843,52.243 r1.5
  circle w0.127: c114.843,52.243 r1.5
Bottom Overlay:
  circle w0.254: c85.979,85.979 r0.635
  lines w0.127: 39.838,47.152 39.838,106.257 ; 161.838,47.152 161.838,106.257
  lines w0.2: 85.471,85.979 86.614,85.979 ; 85.979,85.344 85.979,86.614 ; 44.422,55.885 44.422,95.885 74.422,95.885 74.422,55.885 44.422,55.885
  text "TX" at 76.327,73.406 h1
  text "GND" at 76.327,72.136 h1
  text "RX" at 76.327,70.866 h1
  text "2.8" at 76.327,69.596 h1
Top Solder:
  text "REMOTE 1.1" at 50.652,61.214 h2.4
  text "Zealer" at 54.356,58.412 h1.2

## Text inside footprints (layer, text, board x,y; h text height)
D1: Top Overlay "+" at 92.416,50.694 h1.02
D2: Top Overlay "+" at 99.416,50.694 h1.02
D3: Top Overlay "+" at 106.416,50.708 h1.02
D4: Top Overlay "+" at 113.416,50.708 h1.02
D5: Top Overlay "+" at 84.205,52.7 h1.02
U2: Bottom Overlay "No Copper" at 60.643,85.093 h1.14; Bottom Overlay "1" at 68.111,84.61 h0.76; Bottom Overlay "10" at 68.593,63.985 h0.76; Bottom Overlay "11" at 50.712,64.011 h0.76